# Altium PCB RCJ22_motherboard_2_final.PcbDoc (part 2 of 4)
Units mm, origin at the board's own origin, x right, y up, seen from the top; angles counter-clockwise.
Board outline 106.05 x 111.54 mm, 4 copper layers (Top Layer, Signal Layer 1, Signal Layer 2, Bottom Layer), stack 1.651 mm thick; 282 components, 273 nets, 1158 pads, 491 vias.
Unrouted connection lines stored in the file: 163.
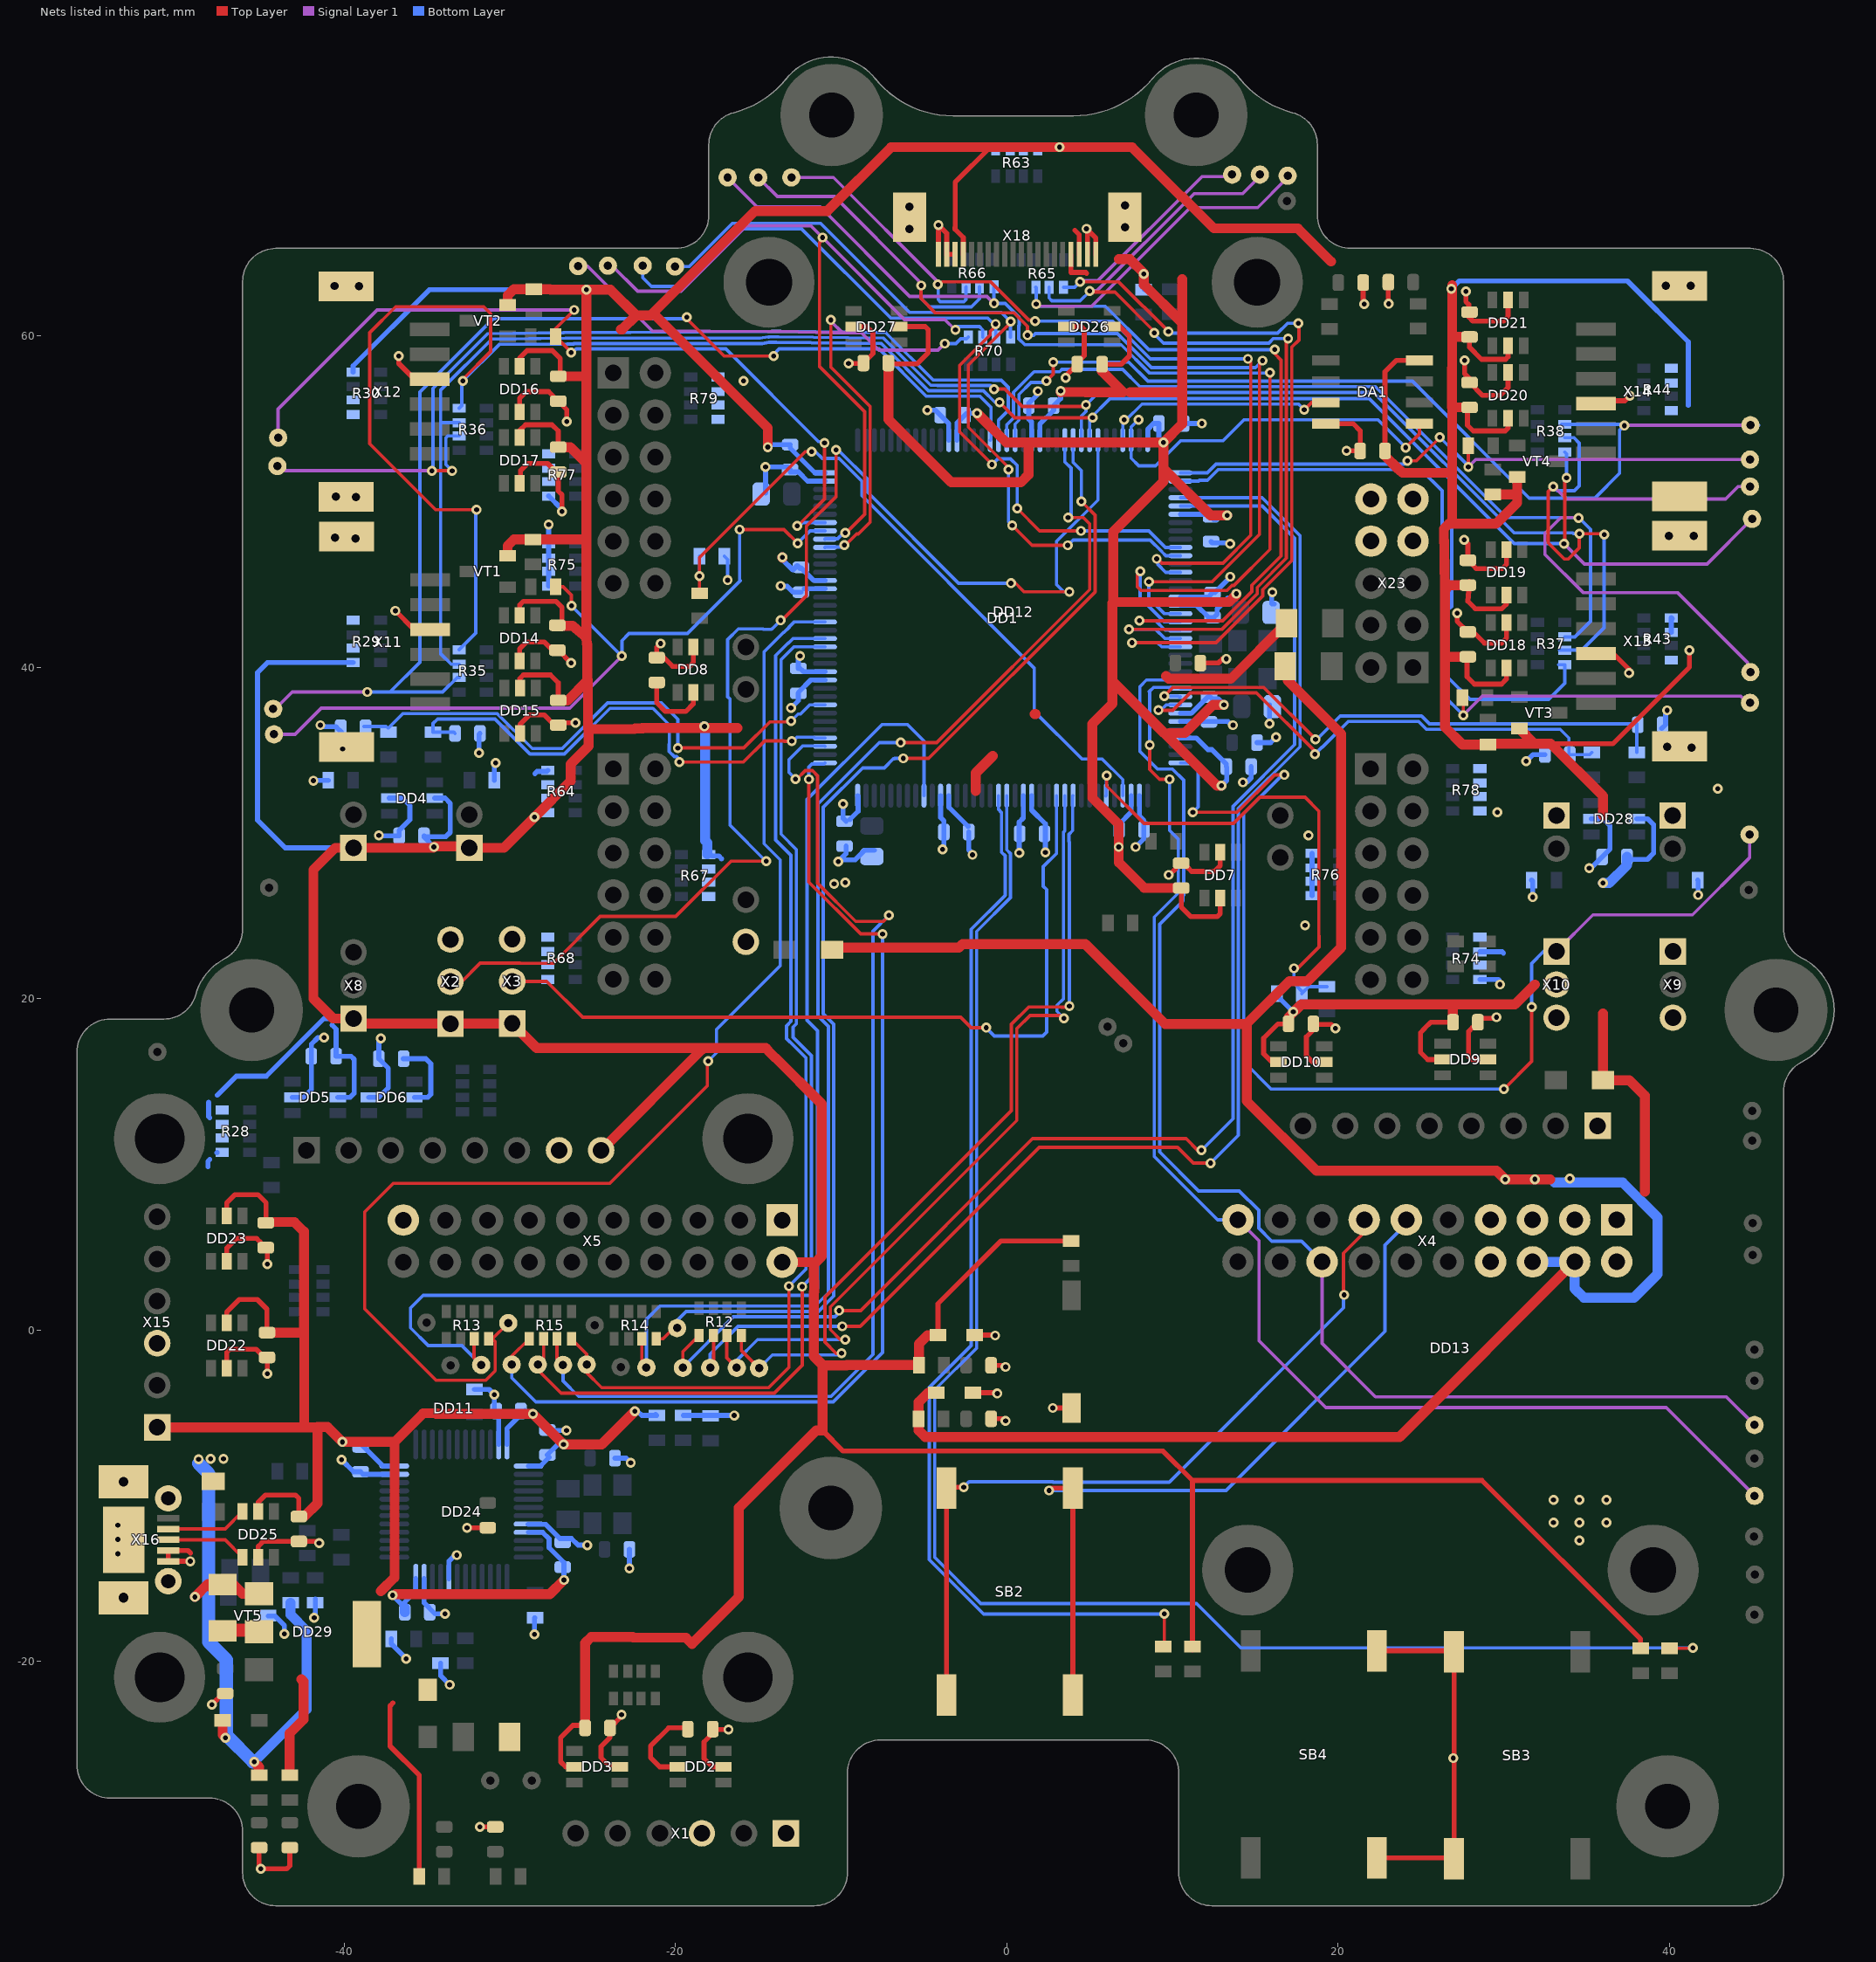
[diagram p4: the nets of this part, all layers, seen from the top]

## Via types
v1: diameter 0.6, hole 0.3, Top Layer to Bottom Layer, tented both sides, 475 vias
v2: diameter 1.1, hole 0.5, Top Layer to Bottom Layer, tented both sides, 16 vias

## Nets (pads, with @x,y where several pads share a name; then routed paths per layer and width w, separated by ;. In a path a pad name is that pad's centre, name@x,y a point inside that pad or via, vN(x,y) a via of type N, cw(c..) or ccw(c..) an arc to the next point about the centre after c; other vN are vias at no path point)
+3,3В: C4.2 C6.2 C7.2 C10.2 C13.2 C14.2 C15.2 C16.2 C17.2 C18.2 C19.2 C20.2 C21.2 C22.2 C23.2 C24.2 C25.2 C26.2 C38.2 C39.2 C42.2 C44.2 C45.2 C46.2 C47.2 C48.2 C50.2 C51.2 C52.2 C53.2 C54.2 C55.2 C56.2 C57.2 C58.2 DA1.8 DD1.6 DD1.17 DD1.30 DD1.33 DD1.39 DD1.52 DD1.62 DD1.72 DD1.84 DD1.95 DD1.108 DD1.121 DD1.131 DD1.144 DD2.5 DD3.5 DD4.5 DD5.5 DD6.5 DD7.5 DD8.5 DD9.5 DD10.5 DD11.1 DD14.5 DD15.5 DD16.5 DD17.5 DD18.5 DD19.5 DD20.5 DD21.5 DD26.5 DD27.5 DD28.5 FU2.2 R2.2 R6.2 R7.2 R18.2 R19.2 R28.5 R28.6 R28.7 R28.8 R29.5 R29.6 R29.8 R30.5 R30.6 R30.8 R31.2 R32.2 R41.2 R42.2 R43.5 R43.6 R43.8 R44.5 R44.6 R44.8 R63.5 R63.6 R63.7 R63.8 R64.1 R64.2 R64.3 R64.4 R67.1 R67.2 R67.3 R67.4 R68.1 R68.2 R68.3 R68.4 R71.2 R82.2 R85.2 VD4.2 VD9.1 VT1.2 VT2.2 VT3.2 VT4.2 X1.1 X2.1 X3.1 X4.1 X4.2 X4.3 X5.1 X5.2 X6.1 X7.1 X8.1 X9.1 X10.2 X18.4 X18.17 X19.1 X20.1 | length 792.4
  Top Layer w0.3: DD15.5@-29.4,38.875 -29.4,39.3 -29.175,39.525 -27.538,39.525 -27.075,39.062 C20.2@-27.075,38 ; DD14.5@-29.4,43.125 -29.4,43.75 -29.175,43.975 -27.212,43.975 -26.85,43.613 -26.85,42.8 C19.2@-27.125,42.525 ; DD17.5@-29.4,53.85 -29.4,54.275 -29.05,54.625 -27.45,54.625 -27.075,54.25 C22.2@-27.075,53.275 ; DD16.5@-29.4,58.15 -29.4,58.65 -28.95,59.1 -27.425,59.1 -26.951,58.626 -26.951,57.674 C21.2@-27.075,57.55 ; DD3.5@-26.1,-26.35 -26.625,-26.35 -26.927,-26.048 -26.927,-24.588 -26.188,-23.85 -25.6,-23.85 C7.2@-25.45,-24 ; C16.2@-21.125,39.075 -21.125,37.85 -20.6,37.325 -19.375,37.325 -18.925,37.775 DD8.5@-18.925,38.475 ; DD2.5@-19.85,-26.35 -20.95,-26.35 -21.5,-25.8 -21.5,-25.087 -20.413,-24 C6.2@-19.25,-24 ; -11.125,-6.055 -9.88,-7.3 9.425,-7.3 11.2,-9.075 ; C39.2@-7.15,58.35 -7.1,58.3 -5.425,58.3 -4.749,58.976 -4.749,60.374 -4.926,60.55 DD27.5@-6.5,60.55 ; VD9.1@-4.15,-0.3 -4.15,1.588 -0.363,5.375 R2.2@3.875,5.375 ; X18.17@-2.625,64.91 -2.625,65.927 -3.125,66.427 -3.125,66.512 -3.112,66.525 -3.112,69.263 -1,71.375 ; X18.4@3.875,64.835 3.875,63.82 4.758,63.82 4.81,63.768 ; C38.2@5.746,58.275 6.9,58.275 7.4,58.775 7.4,59.972 6.822,60.55 DD26.5@6.35,60.55 ; C15.2@10.525,26.675 10.525,25.525 11.1,24.95 12.7,24.95 12.875,25.125 DD7.5@12.875,26.075 ; R7.2@11.2,-19.3 R7.2@11.2,-19.1 11.2,-9.075 ; DD10.5@16.4,16.175 16,16.175 15.5,16.675 15.5,17.61 16.365,18.475 C18.2@17,18.475 ; C4.2@22.825,53.05 22.825,57.825 23.505,58.505 DA1.8@24.9,58.505 ; DD9.5@26.275,16.35 DD9.5@26.3,16.325 25.4,16.325 24.975,16.75 24.975,17.95 25.2,18.175 25.2,18.188 25.587,18.575 C17.2@26.925,18.575 ; 26.495,44.68 26.765,44.95 ; C23.2@27.825,40.625 27.775,40.575 27.775,39.425 28.225,38.975 29.85,38.975 30.15,39.275 DD18.5@30.15,39.95 ; C24.2@27.925,45.175 27.906,44.943 27.825,43.975 28.275,43.525 29.875,43.525 30.15,43.8 DD19.5@30.15,44.3 ; C25.2@27.925,55.675 27.8,55.55 27.8,54.6 28.15,54.25 30.075,54.25 30.25,54.425 DD20.5@30.25,55.025 ; C26.2@27.925,59.925 27.925,59.3 28.65,58.575 30.1,58.575 30.25,58.725 DD21.5@30.25,59.4 ; 32.825,35.375 36.573,35.375 41.2,40.002 v1(41.2,41.025) ; R6.2@38.25,-19.2 38.25,-18.65 28.675,-9.075 11.2,-9.075
  Top Layer w0.6: X8.1@-39.425,18.8 -40.65,18.8 -41.85,20 -41.85,27.775 -40.525,29.1 -34.625,29.1 -34.525,29.2 -32.537,29.2 X7.1@-32.437,29.1 -30.354,29.1 v1(-28.5,30.954) -26.329,33.125 -26.329,34.146 -25.239,35.235 -25.239,36.263 -22.475,36.263 -22.437,36.3 -21.975,36.3 -22,36.325 -16.256,36.325 ; X8.1@-39.11,18.485 X2.1@-33.575,18.485 X3.1@-29.865,18.485 ; VT1.2@-30.125,46.725 -30.125,47.325 -29.75,47.7 R31.2@-28.6,47.7 -25.38,47.7 -25.38,52.305 ; VT2.2@-30.125,61.85 -30.125,62.425 -29.75,62.8 R32.2@-28.55,62.8 -27.574,62.8 -27.545,62.77 v1(-25.38,62.77) ; X3.1@-29.85,18.5 -28.375,17.025 -14.55,17.025 -14.4,16.875 -14.4,16.85 -13.975,16.425 -13.95,16.425 -11.175,13.65 -11.175,4.45 -11.65,3.975 ; C20.2@-27.075,38 -26.725,38 -26.7,37.975 -26.525,37.975 -25.325,39.175 ; C22.2@-27.075,53.275 -26.35,53.275 -25.38,52.305 ; C21.2@-27.075,57.55 -25.734,57.55 ; C19.2@-27,42.5 -26.2,42.5 -25.375,41.775 ; C7.2@-25.45,-24 -25.45,-18.885 -25.09,-18.525 -22.575,-18.525 -22.546,-18.554 -19.376,-18.554 -19,-18.93 -16.175,-16.105 -16.175,-10.725 -11.505,-6.055 -11.125,-6.055 -11.125,-2.1 ; -25.375,47.7 -25.375,41.775 ; -25.277,36.3 -25.277,39.223 -25.325,39.175 ; DD11.1@-24.495,10.825 -18.373,16.947 ; -23.3,60.385 -23.211,60.385 -22.373,61.223 ; v1(-14.425,53.275) -14.425,54.44 -21.35,61.365 ; X5.2@-13.56,4.1 -11.775,4.1 -11.65,3.975 ; v1@-13.55,46.601 v1(-13.55,46.625) ; C39.2@-7.15,58.35 -7.15,54.95 -3.35,51.15 0.85,51.15 1.304,51.604 1.304,53.55 ; VD9.1@-4.15,-0.3 -4.775,-0.3 -5.3,-0.825 R82.2@-5.3,-2.125 -5.325,-2.1 -9.65,-2.1 -9.675,-2.125 -11.1,-2.125 -11.125,-2.1 ; -1.88,32.53 -1.88,33.613 -0.85,34.642 ; v1(-1.8,55.325) -0.025,53.55 1.304,53.55 ; 1.682,37.174 1.75,37.174 ; v1@3.25,56.585 3.265,56.6 4.742,56.6 4.758,56.585 7.009,56.585 5.746,57.847 C38.2@5.746,58.275 ; 6.764,64.614 7.419,64.614 8.275,63.758 8.275,63.075 10.475,60.875 ; 7.436,56.585 10.36,56.585 10.575,56.8 ; 9.617,39.46 9.776,39.3 13.525,39.3 FU2.2@16.875,42.65 ; 9.783,36.025 10.743,36.025 12.443,37.725 v1(13.1,37.725) ; C15.2@10.525,26.675 8.3,26.675 6.75,28.225 v1(6.75,29.15) 6.75,30.525 5.15,32.125 5.15,36.566 6.375,37.791 6.375,39.152 ; 10.575,63.41 10.575,56.8 ; v1(12.958,32.85) 12.677,32.85 6.375,39.152 ; v1(13.301,49.152) 12.298,49.152 9.625,51.825 9.45,52 ; v1(13.85,44.428) 13.85,44.365 13.411,43.927 6.425,43.927 ; C18.2@17,18.475 17,18.875 17.775,19.65 26.825,19.65 ; 19.56,64.475 17.56,66.475 12.5,66.475 10.575,68.4 10.575,68.35 7.55,71.375 v1(3.175,71.375) -1,71.375 -6.975,71.375 -10.827,67.523 -15.192,67.523 -21.35,61.365 ; C4.2@22.825,53.05 22.825,52.75 23.625,51.95 ; 23.725,51.875 23.875,51.725 26.67,51.725 ; 26.45,44.634 26.449,44.679 26.379,48.348 26.67,48.65 ; 26.495,44.68 26.45,44.635 26.45,36.375 27.5,35.325 R41.2@28.725,35.325 ; 26.75,40.625 C23.2@27.825,40.625 ; 26.765,44.95 C24.2@27.825,44.95 ; 26.85,58.025 26.85,55.675 26.875,55.675 ; v1@26.875,63.05 26.875,59.875 ; C17.2@26.925,18.575 26.925,19.65 30.664,19.65 31.864,20.85 ; C25.2@27.925,55.675 26.875,55.675 ; C26.2@27.925,59.925 26.925,59.925 26.875,59.875 ; R42.2@29.2,50.425 R42.2@29.325,50.425 30.775,50.425 30.8,50.45 ; R41.2@29.225,35.325 29.275,35.375 31.85,35.375 ; VT4.2@30.8,51.475 30.8,50.45 ; VT3.2@30.925,36.3 31.85,35.375 ; 35.975,19.1 VD4.2@35.975,15.075 37.575,15.075 38.5,14.15 38.5,8.347 ; 35.975,31.05 35.975,32.225 32.825,35.375 31.85,35.375 ; X20.1@40.173,31.05 X20.1@40.178,31.045 ; -25.38,52.305 -25.38,61.249 -25.376,61.253 -25.376,61.853 -25.38,61.857 v1(-25.38,62.77) ; v1(-25.38,62.77) -23.92,62.77 -22.373,61.223 ; -25.375,41.775 -25.35,41.4 -25.325,41.375 -25.325,39.175 ; -22.373,61.223 -21.492,61.223 -21.35,61.365 ; -11.65,3.975 -11.65,2.95 -11.625,2.925 -11.625,2.325 -11.65,2.3 -11.65,-1.575 -11.125,-2.1 ; 1.304,53.55 v1(9.45,53.55) ; 6.375,39.152 6.375,43.877 6.425,43.927 ; 6.425,43.927 6.425,48.172 9.45,51.197 9.45,52 ; 9.45,52 v1(9.45,53.55) ; v1(9.45,53.55) 10.575,54.675 10.575,56.8 ; 26.875,55.675 26.875,48.65 29.525,48.65 30.8,49.925 30.8,50.45 ; 26.875,55.675 26.875,59.875
  Top Layer w0.8: X8.1@-39.425,18.8 X8.1@-39.11,18.485 ; X3.1@-29.865,18.485 X3.1@-29.85,18.5
  Bottom Layer w0.2: R18.2@-17.05,46.7 -16.85,46.5 v1(-16.85,45.25)
  Bottom Layer w0.3: -48.215,9.859 -48.215,10.182 -48.1,10.297 ; -48.175,13.738 -48.175,12.878 -48.1,12.803 ; R28.5@-47.675,10.7 R28.5@-47.65,10.725 ; -47.65,14.175 -46.5,15.325 -44.685,15.325 -41.21,18.8 X8.1@-39.425,18.8 ; -40.717,18.4 -40.475,18.158 C13.2@-40.475,16.525 -39.575,16.525 -39.388,16.338 -39.388,14.287 -39.625,14.05 DD5.5@-40.375,14.05 ; R29.5@-39.45,40.275 -44.625,40.275 -45.225,39.675 -45.225,30.775 -43.55,29.1 X6.1@-39.438,29.1 ; R30.8@-39.45,57.8 -39.45,58.175 -34.855,62.77 v1(-25.38,62.77) ; C14.2@-36.425,16.375 -35.064,16.375 -34.758,16.068 -34.758,14.226 -34.933,14.05 DD6.5@-35.75,14.05 ; v1(-34.575,29.15) -35.175,29.75 C10.2@-35.175,29.825 -35.125,29.775 -33.85,29.775 -33.587,30.038 -33.587,31.788 -33.9,32.1 DD4.5@-34.525,32.1 ; v1@-28.635,30.865 -28.546,30.954 v1(-28.5,30.954) ; -28.476,33.575 -28.344,33.707 -27.768,33.707 R64.4@-27.7,33.775 ; R67.1@-18,28.7 -17.884,28.7 -17.791,28.607 -17.381,28.607 -17.217,28.443 ; v1(-14.425,53.275) -14.344,53.275 -14.194,53.425 C44.2@-13.075,53.425 ; v1(-13.55,46.625) -13.55,46.501 -12.914,45.865 -12.651,46.127 -12.474,45.95 -12.425,45.999 -11.651,45.225 DD1.95@-10.975,45.225 ; C44.2@-13.075,53.275 -13.075,53.222 -11.578,51.725 DD1.108@-10.975,51.725 ; C46.2@-12.58,39.925 -12.58,40.57 v1(-12.475,40.675) ; C46.2@-12.55,40.008 -12.267,39.725 DD1.84@-10.975,39.725 ; v1(-9.875,31.748) -9.875,30.875 C47.2@-9.7,30.7 ; C47.2@-9.475,30.802 -8.975,31.302 -8.975,32.225 DD1.72@-9,32.25 ; DD1.62@-4,32.25 -4,30.925 -3.8,30.725 C48.2@-3.8,30.052 -3.8,29.075 v1(-3.875,29) ; DD1.121@-3,53.7 -3,54.74 C57.2@-2.525,55.215 -2.415,55.325 v1(-1.8,55.325) ; v1(0.75,28.8) 0.75,30.65 1,30.9 DD1.52@1,32.25 ; DD1.131@2,53.7 2,54.675 2.825,55.5 C56.2@2.825,55.775 3.25,56.2 v1@3.25,56.585 ; v1(6.75,29.15) 6.775,29.175 C51.2@6.775,30.2 6.775,30.525 7.5,31.25 DD1.39@7.5,32.25 ; v1(8.275,63.719) 8.275,62.816 R71.2@8.316,62.775 ; DD1.144@8.5,53.7 8.5,54.35 8.85,54.7 C55.2@9.175,54.7 9.175,53.825 v1(9.45,53.55) ; DD1.33@10.475,35.725 11.438,35.725 12.138,35.025 12.375,35.025 13.25,34.15 C53.2@13.25,34 13.275,33.975 13.275,33.167 v1(12.958,32.85) ; DD1.30@10.475,37.225 11.15,37.225 11.225,37.3 12.2,38.274 12.385,38.09 12.759,38.09 13.1,37.749 v1(13.1,37.725) ; DD1.17@10.475,43.725 11.45,43.725 12.175,43 12.494,43 12.692,43.198 12.692,43.517 13.35,44.175 13.516,44.175 13.769,44.428 v1(13.85,44.428) ; DD1.6@10.475,49.225 12.18,49.225 C54.2@12.325,49.08 12.498,48.907 12.566,48.975 C54.2@12.634,48.907 ; 12.879,49.152 v1(13.301,49.152) ; R19.2@16.243,20.243 v1(17.285,19.2) ; v1(26.825,62.825) 27.3,63.3 37.45,63.3 41.125,59.625 41.125,55.8 ; C42.2@37.425,28.55 37.575,28.4 38.663,28.4 39.028,28.765 39.028,30.503 38.681,30.85 DD28.5@38.025,30.85 ; R43.6@40.1,42.1 R43.5@40.1,42.975 R43.5@40.15,42.925 ; v1@41.15,41.05 v1@41.175,41.025
  Bottom Layer w0.6: v1(-18.25,36.425) -18.2,36.375 -18.2,29.533 -18.075,29.408 R67.1@-18.075,28.725 ; v1(35.975,26.975) 36.35,26.975 37.425,28.05 C42.2@37.425,28.55
  other v1: -10.421,26.925 -9.75,27 3.25,56.66
+3,3В_ST_LINK: C30.2 C31.2 C32.2 C33.2 C34.2 C35.2 C36.2 C37.2 C49.2 DD22.5 DD23.5 DD24.1 DD24.9 DD24.24 DD24.36 DD24.48 DD25.5 DD29.2 DD29.4 R45.2 R49.2 R56.1 R84.2 VD11.2 VT5.3 X15.1 | length 129.4
  Top Layer w0.3: DD22.5@-47.075,0.45 -47.075,1.1 -46.325,1.85 -45.234,1.85 -44.65,1.266 C30.2@-44.65,-0.15 ; DD23.5@-47.075,6.9 -47.075,7.675 -46.575,8.175 -45.2,8.175 -44.7,7.675 C31.2@-44.7,6.525 ; DD25.5@-45.175,-10.95 -45.175,-10.375 -44.75,-9.95 -42.925,-9.95 -42.725,-10.15 C32.2@-42.725,-11.25 ; -37.05,-22.5 -37.225,-22.675 -37.225,-25.1 -35.455,-26.87 R45.2@-35.455,-32.975
  Top Layer w0.6: X15.1@-51.275,-5.87 -42.4,-5.87 ; DD29.2@-45.275,-18.05 DD29.2@-45.125,-18.2 ; C31.2@-44.7,6.525 -43,6.525 -42.425,5.95 -42.425,-0.15 C30.2@-44.65,-0.15 ; R84.2@-43.275,-26.85 -43.275,-24.325 -42.45,-23.5 -42.45,-21.2 -42.575,-21.075 ; C32.2@-42.725,-11.25 -42.4,-11.25 -41.6,-10.45 -41.6,-5.87 ; -42.4,-0.175 -42.4,-5.87 ; -37.775,-15.75 -36.95,-14.925 -36.95,-6.75 ; v1@-36.884,-15.935 -27.585,-15.935 v1(-26.725,-15.075) ; -27.3,-6.35 v1@-26.875,-6.775 ; -27.3,-6.35 v1(-28.601,-5.05) v1(-28.601,-5.05) -34.424,-5.05 -34.389,-5.015 -35.215,-5.015 -36.95,-6.75 ; v1@-26.875,-6.775 v1(-26.75,-6.9) -24.45,-6.9 v1(-22.45,-4.9) ; -42.4,-5.87 -41.6,-5.87 ; -41.6,-5.87 -41.6,-5.85 -41,-5.85 v1(-40.1,-6.75) -36.95,-6.75
  Top Layer w0.8: C49.2@-47.375,-18.1 -45.325,-18.1 DD29.2@-45.275,-18.05
  Bottom Layer w0.3: VT5.3@-44.575,-17.25 -44.175,-17.25 -43.6,-17.825 v1(-43.6,-18.325) ; v1(-40.1,-6.75) -39.1,-6.75 -37.65,-8.2 DD24.36@-36.965,-8.2 ; v1(-37.075,-16) C33.2@-36.325,-16.75 ; -36.325,-16.4 -35.665,-15.74 DD24.24@-35.665,-15 ; R56.1@-34.175,-20.1 -34.165,-20.11 -34.165,-20.86 v1(-33.625,-21.4) ; DD24.48@-30.165,-6.9 -30.165,-5.94 -29.075,-4.85 -28.875,-5.05 v1(-28.601,-5.05) ; DD24.9@-28.865,-12.2 -28.014,-12.2 -27.625,-12.589 -27.625,-13.125 -26.725,-14.025 v1(-26.725,-15.075) ; DD24.1@-28.865,-8.2 -28.15,-8.2 C35.2@-27.625,-7.675 ; C35.2@-27.725,-7.525 -27.1,-6.9 v1(-26.75,-6.9) ; v1@-22.3,-4.875 -22.025,-5.15 R49.2@-21.125,-5.15 R49.2@-21.2,-5.075
  Bottom Layer w0.6: C33.2@-36.325,-17.025 C33.2@-36.325,-16.75
+5В: FU3.2 R86.2 VD3.2 VD14.1 X4.4 X4.6 | length 145.4
  Top Layer w0.6: VD3.2@-10.55,22.95 -10.424,23.076 -2.887,23.076 -2.675,23.288 4.737,23.288 9.55,18.475 14.25,18.475 ; VD14.1@-4.25,-3.775 -4.75,-3.775 -5.325,-4.35 R86.2@-5.325,-5.35 -5.325,-6.05 -4.925,-6.45 23.703,-6.45 X4.4@34.271,4.119 ; FU3.2@16.949,40.05 16.949,39.201 20.175,35.975 20.175,23.075 18.15,21.05 17.05,21.05 14.475,18.475 14.475,13.825 18.685,9.615 29.548,9.615 v1(30.075,9.087) 31.875,9.087 32.8,9.087
  Bottom Layer w0.6: X4.6@31.731,4.119 X4.4@34.271,4.119 34.271,2.504 34.825,1.95 37.85,1.95 39.275,3.375 39.275,6.802 37.177,8.9 33.05,8.9
  other v1: 31.875,9.1 33.975,9.15
+5В_ST_LINK: FU1.1 R60.2 R83.2 VD7.2 | length 32.7
  Top Layer w0.6: VD7.2@-47.325,-23.55 -47.325,-24.425 v1(-47.15,-24.6) ; v1(-45.425,-26.05) -45.425,-26.063 -45.125,-26.362 R83.2@-45.125,-26.85
  Bottom Layer w0.6: v1(-45.425,-26.05) -42.265,-22.89 -42.265,-18.135 -43.225,-17.175 R60.2@-43.225,-16.45
  Bottom Layer w0.8: v1@-48.775,-8.05 -48.175,-8.65 -48.175,-18.825 -47.1,-19.9 -47.1,-24.45 v1@-45.5,-26.05
  other v1: -48.775,-7.8 -48.05,-7.775 -47.275,-7.775
BUTTON1: SB2.1 X4.13 | length 46.9
  Top Layer w0.2: v1(20.35,2.125) 20.321,2.154 20.321,4.636 21.571,5.886 X4.13@21.571,6.659
  Top Layer w0.3: SB2.1@-3.635,-22.025 SB2.1@-3.635,-9.525 -3.635,-9.485 -3.625,-9.475 v1(-2.6,-9.475)
  Bottom Layer w0.2: v1(-2.6,-9.475) -2.275,-9.15 2.767,-9.15 2.792,-9.175 9.8,-9.175 20.321,1.346 20.321,2.096 v1(20.35,2.125)
BUTTON2: SB2.2 X4.11 | length 45.4
  Top Layer w0.2: v1(2.55,-9.675) v1@2.7,-9.525
  Top Layer w0.3: v1@2.7,-9.525 SB2.2@3.985,-9.525 ; SB2.2@3.985,-22.025 SB2.2@3.985,-9.675
  Bottom Layer w0.2: v1(2.55,-9.675) 13.225,-9.675 22.821,-0.079 22.821,5.121 24.111,6.411 X4.11@24.111,6.659
DM: DD25.6 X16.2 | length 4.9
  Top Layer w0.2: X16.2@-50.608,-12 -47.175,-12 DD25.6@-46.125,-10.95
DP: DD25.1 X16.3 | length 4.9
  Top Layer w0.2: X16.3@-50.608,-12.65 -47.175,-12.65 DD25.1@-46.125,-13.7
GND: C1.1 C2.1 C3.1 C4.1 C5.1 C6.1 C7.1 C8.1 C9.1 C10.1 C11.1 C12.1 C13.1 C14.1 C15.1 C16.1 C17.1 C18.1 C19.1 C20.1 C21.1 C22.1 C23.1 C24.1 C25.1 C26.1 C27.2 C28.2 C29.1 C30.1 C31.1 C32.1 C33.1 C34.1 C35.1 C36.1 C37.1 C38.1 C39.1 C40.1 C41.1 C42.1 C43.1 C44.1 C45.1 C46.1 C47.1 C48.1 C49.1 C50.1 C51.1 C52.1 C53.1 C54.1 C55.1 C56.1 C57.1 C58.1 DA1.4 DD1.16 DD1.31 DD1.38 DD1.51 DD1.61 DD1.83 DD1.94 DD1.107 DD1.120 DD1.130 DD2.2 DD3.2 DD4.2 DD5.2 DD6.2 DD7.2 DD8.2 DD9.2 DD10.2 DD11.2 DD12.6 DD13.1 DD14.2 DD15.2 DD16.2 DD17.2 DD18.2 DD19.2 DD20.2 DD21.2 DD22.2 DD23.2 DD24.8 DD24.20 DD24.23 DD24.35 DD24.47 DD25.2 DD26.2 DD27.2 DD28.2 DD29.1 R10.1 R11.1 R50.1 R51.1 R52.1 R53.2 R57.2 R61.1 R74.1 R74.2 R74.3 R74.4 R75.1 R75.2 R75.3 R75.4 R76.1 R76.2 R76.3 R76.4 R77.1 R77.2 R77.3 R77.4 R78.1 R78.2 R78.3 R78.4 R79.1 R79.2 R79.3 R79.4 R80.1 R81.1 SB1.2 SB3.1 SB4.1 VD1.1 VD2.1 VD6.1 VD8.1 VD9.2 VD10.1 VD12.1 VD13.1 VD14.2 X1.3 X2.3 X3.3 X4.5 X4.7 X4.8 X5.19 X9.3 X10.3 X11.0 X11.3 X12.0 X12.3 X13.0 X13.3 X14.0 X14.3 X15.3 X16. X16.0 X16.4 X16.5 X18.0 X18.1 X18.2 X18.3 X18.18 X18.19 X18.20 X23.7 X23.8 X23.9 X23.10 | length 270.2
  Top Layer w0.3: v1(-49.275,-13.95) X16.5@-50.608,-13.95 X16.4@-50.608,-13.3 -49.418,-13.3 -49.268,-13.45 ; v1(-47.975,-22.6) -47.3,-21.925 C43.1@-47.175,-21.925 ; DD22.2@-47.075,-2.3 -47.075,-1.332 -46.899,-1.156 -45.294,-1.156 -44.651,-1.8 -44.625,-1.8 v1(-44.625,-2.625) ; DD23.2@-47.075,4.15 -47.075,4.95 -46.497,5.528 -45.274,5.528 -45.055,5.31 -45.055,5.173 -44.761,4.879 -44.625,4.879 v1(-44.625,3.975) ; DD25.2@-45.175,-13.7 -45.175,-13.05 -44.875,-12.75 -41.603,-12.75 v1(-41.502,-12.851) ; VD10.1@-45.125,-31.225 -45.125,-32.318 -45.024,-32.419 v1(-45.024,-32.5) -43.451,-32.5 -43.275,-32.324 VD12.1@-43.275,-31.225 ; v1(-36.9,43.4) -35.775,42.275 X11.3@-34.8,42.275 ; v1(-36.7,58.775) -36.7,58.325 -35.75,57.375 X12.3@-34.825,57.375 ; v1(-32.575,-11.925) C29.1@-31.325,-11.925 ; v1(-31.8,-29.975) VD6.1@-30.875,-29.975 ; DD14.2@-29.4,40.375 -29.4,41.11 -28.985,41.525 -27.925,41.525 -27.425,41.025 C19.1@-27.125,41.025 -27.075,41.025 v1(-26.3,40.25) ; DD17.2@-29.4,51.1 -29.342,51.158 -29.342,51.874 -28.929,52.288 -27.713,52.288 -27.425,51.999 -27.425,51.989 -27.211,51.775 C22.1@-27.075,51.775 -27.075,50.625 -26.85,50.4 v1(-26.85,49.4) ; DD16.2@-29.4,55.4 -29.4,56.225 -29,56.625 -27.65,56.625 C21.1@-27.075,56.05 -26.55,55.525 v1(-26.55,54.825) ; DD15.2@-29.375,36 -29.375,36.55 -28.8,37.125 -27.925,37.125 -27.3,36.5 C20.1@-27.075,36.5 -27.05,36.475 -26.873,36.652 v1(-26.026,36.652) ; DD3.2@-23.35,-26.35 -23.935,-26.35 -24.494,-25.791 -24.494,-25.125 -23.95,-24.581 C7.1@-23.95,-24 -23.25,-23.3 v1(-23.25,-23.2) ; v1(-20.9,41.425) -21.125,41.2 C16.1@-21.125,40.575 -20.7,40.575 -20.175,40.05 -19.125,40.05 -18.925,40.25 DD8.2@-18.925,41.225 ; DD2.2@-17.1,-26.35 -17.775,-26.35 -18.275,-25.85 -18.275,-24.85 -17.75,-24.325 C6.1@-17.75,-24.075 -17.75,-24 -17.65,-24.1 v1(-16.8,-24.1) ; v1(-9.55,58.325) -8.675,58.325 C39.1@-8.65,58.35 -8.075,58.925 -8.075,60.175 -8.45,60.55 DD27.2@-9.25,60.55 ; X18.20@-4.125,64.91 v1(-4.125,66.675) -3.625,66.175 X18.19@-3.625,64.91 X18.18@-3.125,64.91 ; VD14.2@-2.05,-3.775 -0.625,-3.775 v1(-0.575,-3.825) ; VD9.2@-1.95,-0.3 -0.725,-0.3 v1(-0.7,-0.325) ; VD13.1@-0.95,-5.35 -0.2,-5.35 v1(-0.075,-5.475) ; VD8.1@-0.95,-2.125 -0.175,-2.125 v1(-0.075,-2.225) ; v1(2.775,-4.7) SB1.2@3.9,-4.7 ; v1(3.55,57.45) 3.55,57.579 C38.1@4.246,58.275 4.246,58.411 4.444,58.61 4.484,58.61 4.675,58.801 4.675,60.374 4.499,60.55 DD26.2@3.6,60.55 ; 4.1,66.363 4.375,66.088 X18.3@4.375,64.91 ; v1(4.808,66.45) v1@4.875,66.383 ; X18.2@4.875,64.91 v1@4.875,66.383 ; X18.1@5.375,64.91 5.375,65.883 v1@4.875,66.383 ; v1(9.775,27.464) 9.814,27.464 10.19,27.84 10.19,27.977 10.389,28.175 10.661,28.175 10.875,27.961 10.875,27.95 11.15,27.675 12.533,27.675 12.875,28.017 DD7.2@12.875,28.825 ; C1.1@11.675,40.25 12.775,40.25 13.025,40.5 v1(13.25,40.5) ; C18.1@18.5,18.475 C18.1@18.675,18.3 ; DD10.2@19.15,16.175 18.45,16.175 18.075,16.55 18.075,17.7 C18.1@18.675,18.3 ; DA1.4@19.25,54.695 20.9,54.695 21.325,54.27 C4.1@21.325,53.05 v1(20.5,53.05) ; v1(19.825,18.2) 19.575,18.45 18.825,18.45 C18.1@18.675,18.3 ; VD1.1@21.507,63.2 21.507,61.964 v1(21.571,61.9) ; SB4.1@22.335,-31.85 26.94,-31.85 26.99,-31.8 SB3.1@26.99,-19.4 26.94,-19.35 SB4.1@22.335,-19.35 ; VD2.1@23.025,63.225 23.025,61.95 v1(23.05,61.925) ; v1(27.175,43.25) 27.175,42.775 C23.1@27.825,42.125 ; v1(27.6,47.675) 27.825,47.45 C24.1@27.825,46.45 28.325,45.95 29.9,45.95 30.15,46.2 DD19.2@30.15,47.1 ; v1(27.625,58.505) 27.625,57.703 27.925,57.403 C25.1@27.925,57.175 28.7,56.4 29.775,56.4 30.25,56.875 DD20.2@30.25,57.775 ; v1(27.701,62.678) 27.701,62.052 27.875,61.878 27.875,61.125 28.125,60.875 29.975,60.875 30.25,61.15 DD21.2@30.25,62.15 ; C23.1@27.837,42.325 27.95,42.325 28.825,41.45 29.875,41.45 30.15,41.725 DD18.2@30.15,42.7 DD18.2@30.15,42.939 ; DD9.2@29.05,16.325 28.05,16.325 27.872,16.504 27.872,18.022 28.09,18.24 28.227,18.24 28.425,18.439 28.425,18.62 28.623,18.819 29.494,18.819 v1(29.551,18.876) ; X13.3@35.55,40.825 36.6,40.825 37.55,39.875 v1(37.55,39.65) ; X14.3@35.55,55.9 35.725,56.075 37.3,56.075 v1(37.6,56.375)
  Top Layer w0.6: v1(-49,-16.1) -48.219,-15.319 C49.1@-47.999,-15.539 ; C49.1@-46.675,-15.35 -46.125,-15.9 DD29.1@-45.125,-15.9 ; C24.1@27.827,46.452 C24.1@27.883,46.452
  Bottom Layer w0.3: DD5.2@-43.125,14.05 -42.425,14.05 -41.975,14.5 C13.1@-41.975,16.525 -41.975,17.25 -41.575,17.65 v1(-41.21,17.65) ; v1(-41.85,33.15) -41.825,33.175 R10.1@-40.95,33.175 ; v1(-41.8,-17.35) -41.742,-17.293 -41.742,-17.08 -41.725,-17.063 R61.1@-41.725,-16.226 ; v1(-41.427,36.502) -41.427,36.402 -40.477,36.402 C11.1@-40.15,36.075 ; v1(-40.15,-7.825) -39.425,-8.55 C34.1@-39,-8.55 -38.85,-8.7 DD24.35@-36.965,-8.7 ; DD6.2@-38.5,14.05 -37.9,14.05 -37.325,14.625 -37.325,15.8 C14.1@-37.9,16.375 -37.9,17.475 v1(-37.775,17.6) ; v1(-37.9,29.85) -37.875,29.825 C10.1@-36.675,29.825 -36.675,30.15 -36.025,30.8 -36.025,31.65 -36.475,32.1 DD4.2@-37.275,32.1 ; R57.2@-37.15,-18.625 -37.15,-18.925 v1(-36.25,-19.825) ; DD24.23@-35.165,-15 -35.165,-16.46 -34.5,-17.125 v1(-33.9,-17.125) ; DD24.20@-33.665,-15 -33.665,-13.937 -33.303,-13.575 v1(-33.2,-13.575) ; R52.1@-32.125,-3.575 -31.25,-3.575 v1(-30.925,-3.9) -30.925,-4.875 -30.665,-5.135 DD24.47@-30.665,-6.9 ; v1(-31.85,34.825) -31.85,35.95 C12.1@-31.8,36 ; R11.1@-30.925,33.175 -30.925,34.15 v1(-30.85,34.225) ; DD24.8@-28.89,-11.725 -27.825,-11.725 -26.975,-12.575 -26.275,-12.575 -25.875,-12.975 v1(-25.325,-12.975) ; v1(-28.5,-18.35) -28.5,-17.374 R53.2@-28.476,-17.35 ; C35.1@-27.725,-6.025 -27.7,-6.05 v1(-26.575,-6.05) ; R75.1@-27.65,44.9 R75.2@-27.65,45.775 R75.3@-27.65,46.575 R75.4@-27.65,47.45 v1(-27.65,48.6) ; R77.1@-27.65,50.325 -26.85,49.525 v1(-26.85,49.4) ; C27.2@-23.65,-7.725 -22.975,-7.725 v1(-22.7,-8) ; v1(-22.775,-14.375) C28.2@-22.775,-13.225 ; R51.1@-19.525,-5.15 v1(-16.45,-5.15) ; C3.1@-14.563,50.513 v1(-14.563,52.075) -13.225,52.075 C44.1@-13.075,51.925 ; v1(-13.651,44.902) -13.626,44.877 -13.251,44.877 -12.898,44.525 C45.1@-12.425,44.525 ; C44.1@-13.075,51.775 -12.573,51.775 -12.023,51.225 DD1.107@-10.975,51.225 ; v1(-13.026,37.535) -12.58,37.98 C46.1@-12.58,38.425 ; C46.1@-12.55,38.508 -11.833,39.225 DD1.83@-10.975,39.225 ; C45.1@-12.225,44.725 DD1.94@-10.975,44.725 ; v1(-10.175,28.273) -9.7,28.748 C47.1@-9.7,29.2 ; v1@-9.95,28.375 -9.15,28.375 -8.575,28.95 C2.1@-8,28.95 ; v1(-4.8,55.503) -4.313,55.503 -3.5,54.69 DD1.120@-3.5,53.7 ; DD1.61@-3.5,32.25 -3.5,31.55 C48.1@-2.338,30.388 ; C48.1@-2.3,30.052 -2.3,28.981 -2.075,28.756 v1(-2.075,28.675) ; DD1.51@1.5,32.25 1.5,31.373 2.325,30.548 v1(2.325,28.825) ; DD1.130@1.5,53.7 1.5,54.79 1.325,54.965 C56.1@1.325,55.775 1.325,55.925 1.875,56.475 v1(1.875,56.65) ; v1(7.775,29.15) 8.275,29.65 C51.1@8.275,30.2 8.275,30.75 8,31.025 DD1.38@8,32.25 ; DD1.31@10.475,36.725 13.344,36.725 13.569,36.5 v1(13.65,36.5) ; DD1.16@10.475,44.225 12.15,44.225 C58.1@12.425,44.5 12.561,44.5 13.483,45.422 v1(13.483,45.456) ; C55.1@10.675,54.7 v1(11.775,54.7) v1@11.85,54.625 ; C54.1@12.325,47.58 12.406,47.499 13.416,47.499 v1(13.473,47.441) ; v1@14.48,33.055 14.75,33.325 C53.1@14.75,34 ; C5.1@15.1,35.45 15.917,35.45 v1@16.242,35.775 ; v1@15.85,36.663 C9.1@15.85,37.725 ; v1(16.025,44.52) 15.988,44.482 15.988,43.841 16.011,43.818 C8.1@16.143,43.818 ; R76.1@18.425,26.21 R76.2@18.425,27.085 R76.3@18.425,27.885 R76.4@18.425,28.76 ; R74.4@28.55,21.15 29.672,21.15 v1@29.693,21.129 ; R74.2@28.55,22.825 29.9,22.825 29.975,22.75 ; v1(31.35,34.325) 31.75,34.725 C40.1@32.475,34.725 ; R80.1@31.675,27.15 31.731,27.094 v1(31.731,26.125) ; v1(35.15,27.875) 35.25,27.875 36.4,29.025 36.4,30.45 36,30.85 DD28.2@35.275,30.85 ; C41.1@39.525,36.3 39.76,36.535 39.76,37.225 39.85,37.316 v1(39.85,37.397) ; R81.1@41.7,27.15 41.725,27.125 v1(41.725,26.25)